# Altium PCB PCB2.PcbDoc
Units mil, origin at the board's own origin, x right, y up, seen from the top; angles counter-clockwise.
Board outline 6000 x 4000 mil, 2 copper layers (Top Layer, Bottom Layer); 8 components, 10 nets, 53 pads, 6 vias.
Unrouted connection lines stored in the file: 3.
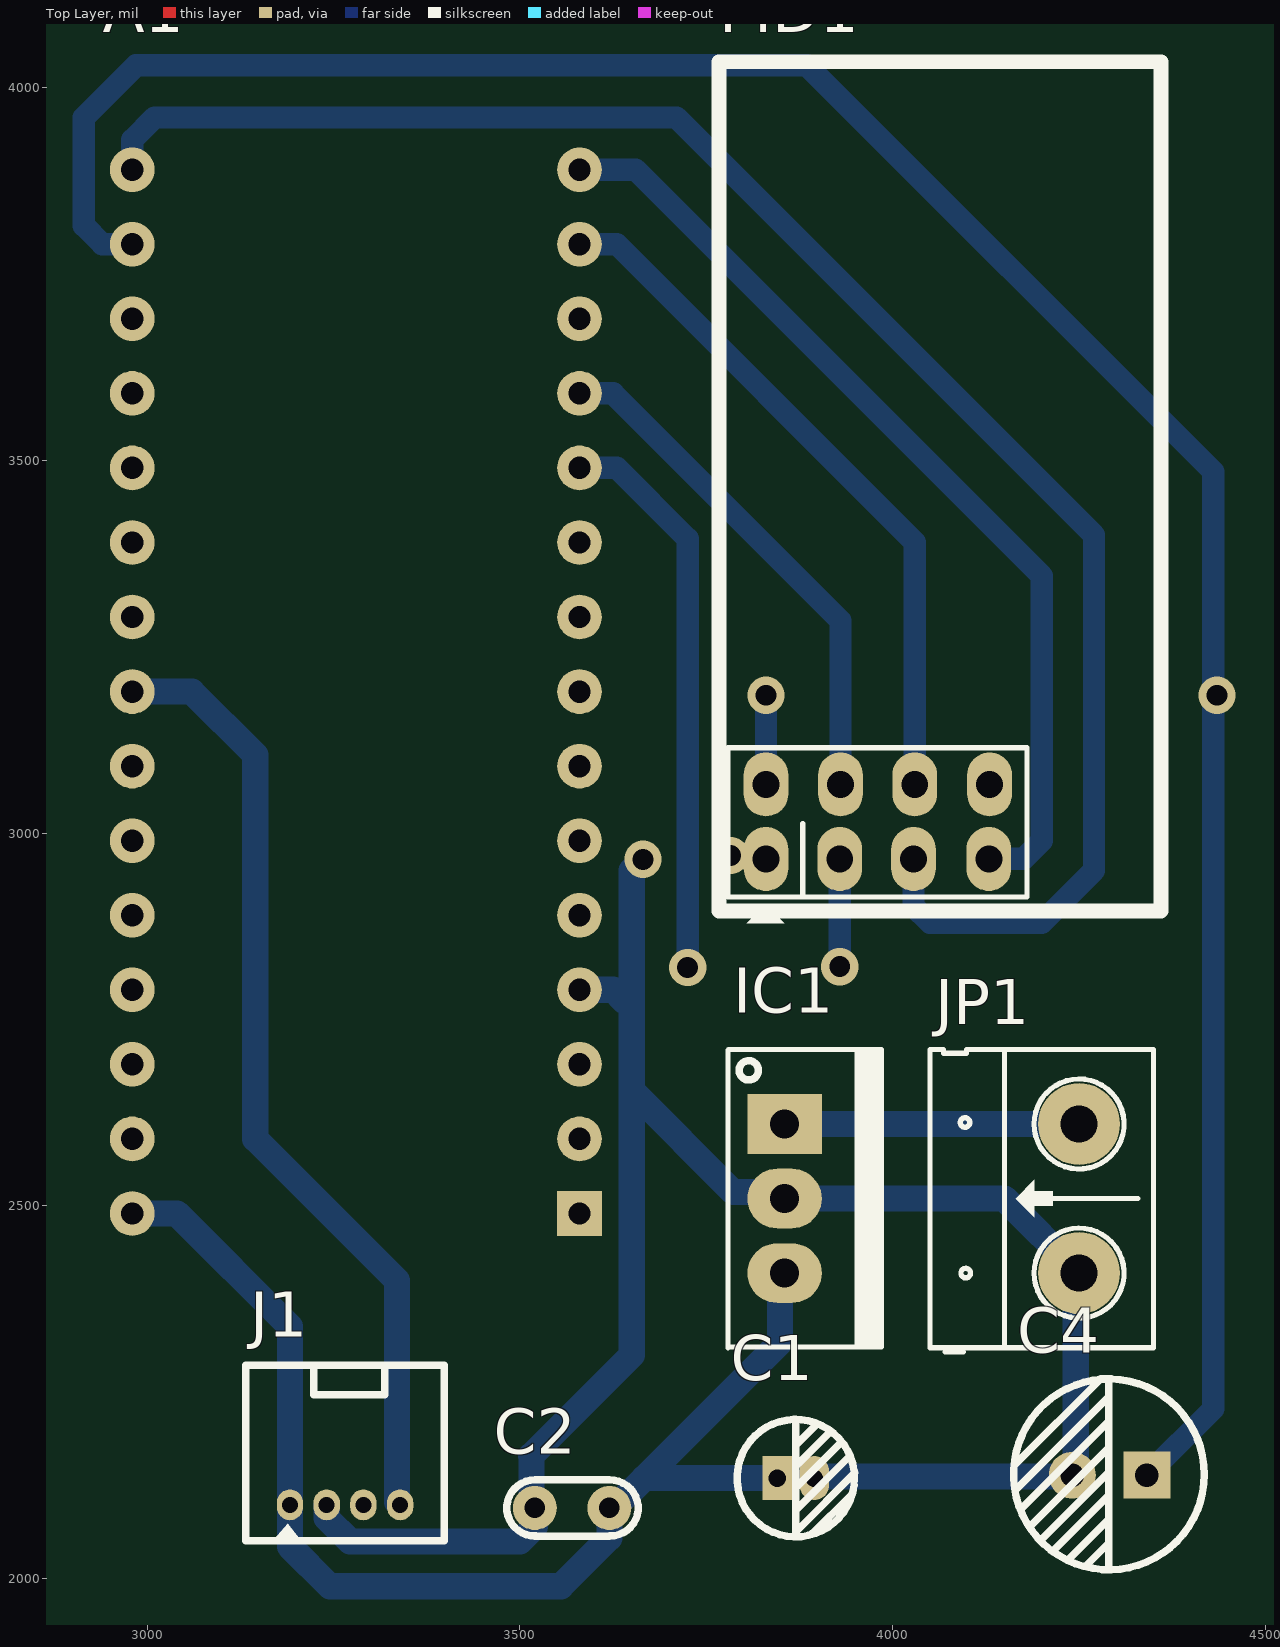
[diagram p0: Top Layer view]
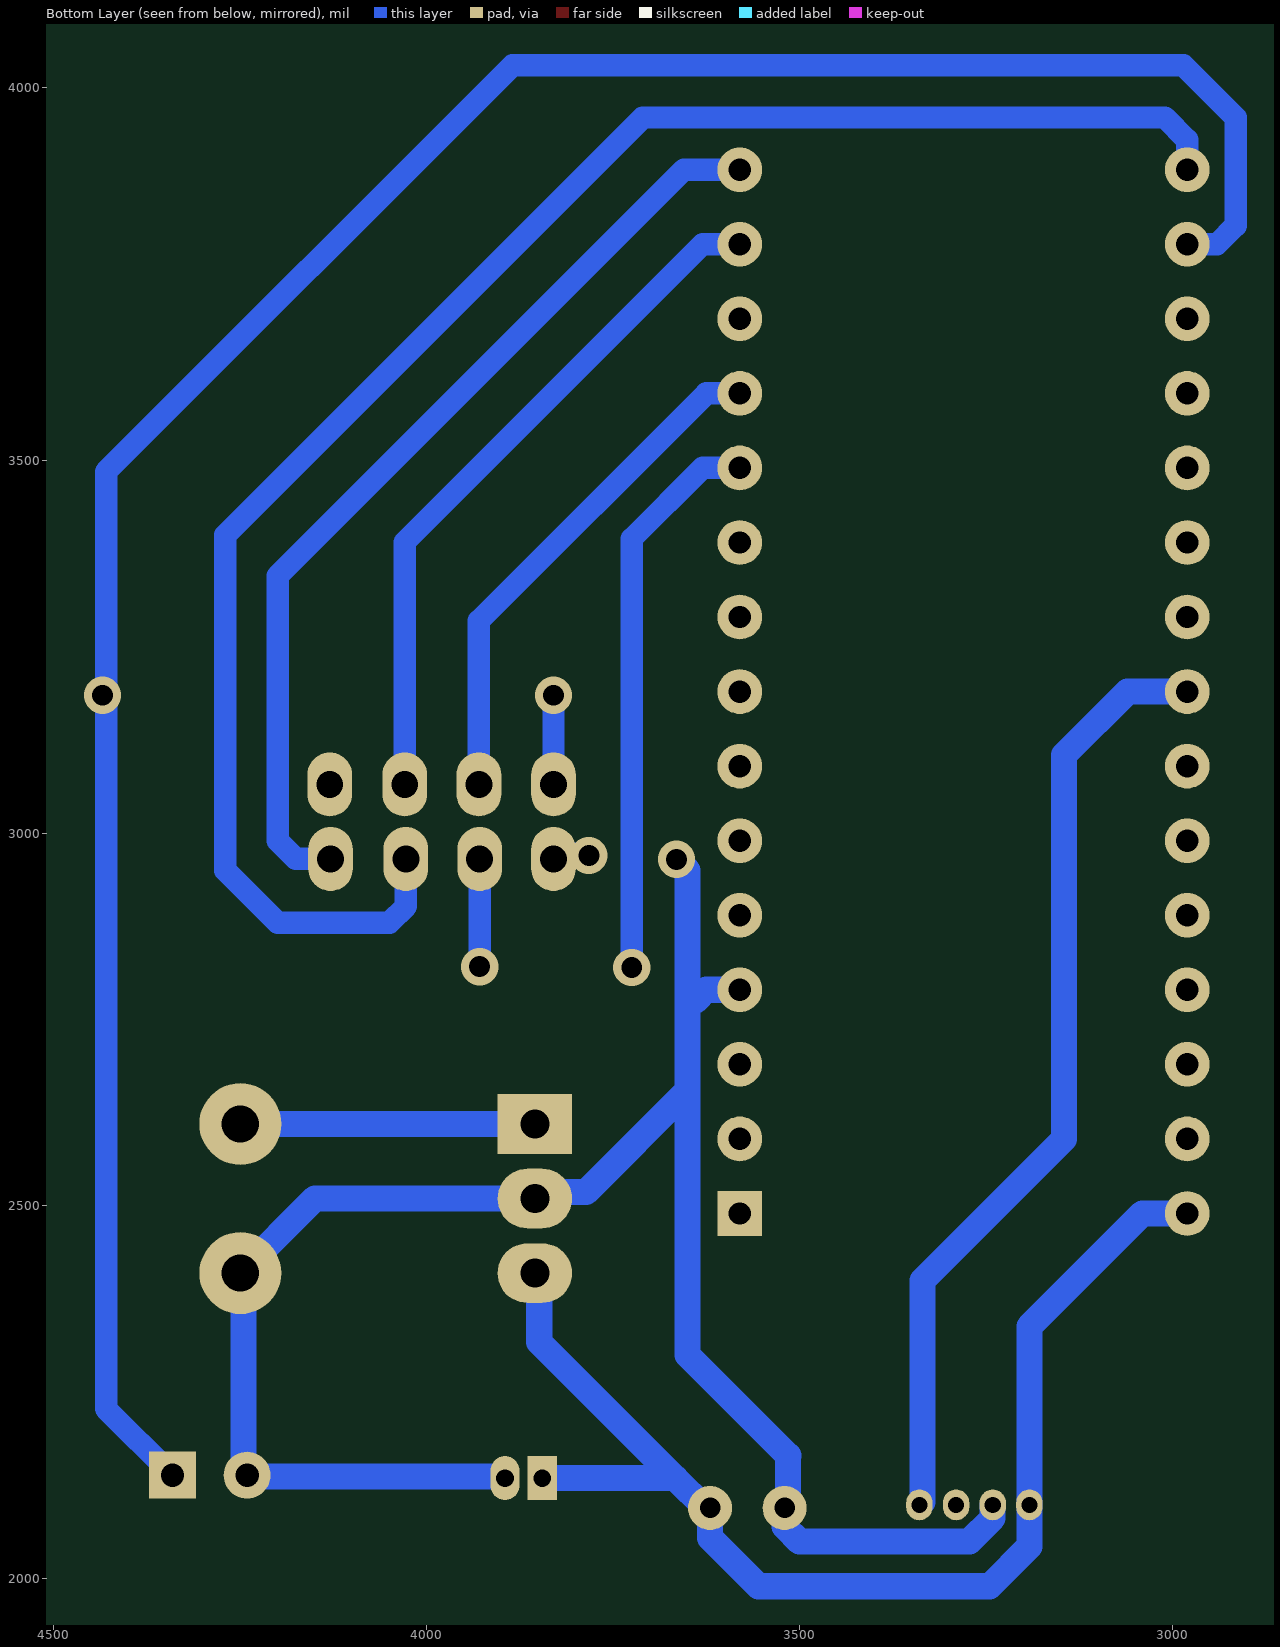
[diagram p1: Bottom Layer view, seen from below]
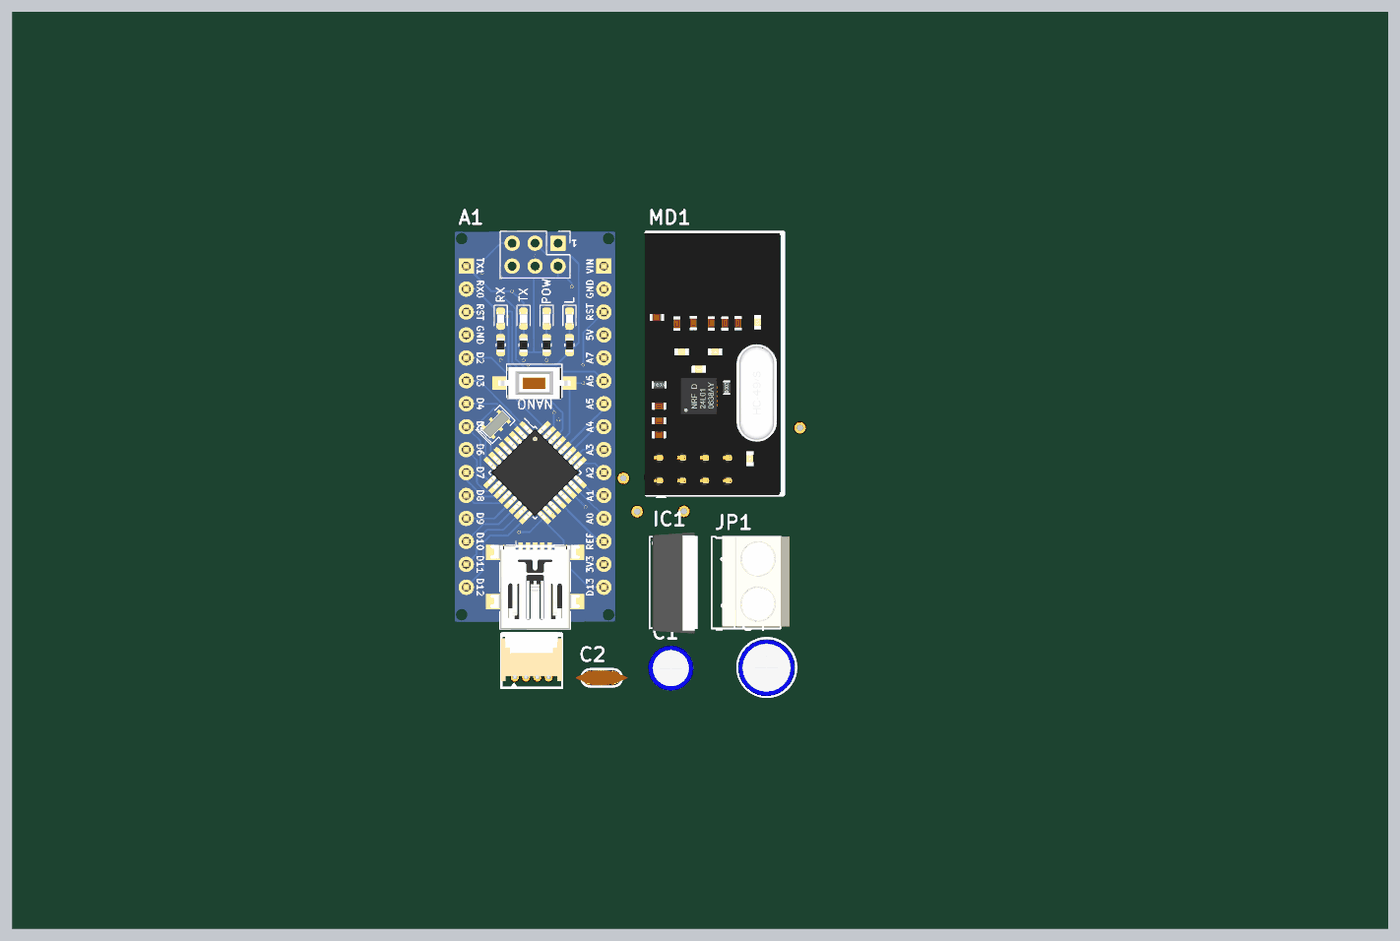
[diagram p2: 3D render of the assembled board from above, using the file's embedded part models]

## Layer stack, top to bottom
Top Solder: solder mask 0.4, Solder Resist, Dk 3.5
Top Layer: signal copper 1.4
Dielectric 1: dielectric 12.6, FR-4, Dk 4.8
Bottom Layer: signal copper 1.4
Bottom Solder: solder mask 0.4, Solder Resist, Dk 3.5

## Board outline
1000,1000 7000,1000 7000,5000 1000,5000

## Design rules (kind name [scope] priority, off if disabled: settings)
Clearance [All] p1: gap=10 ignorepadtopadclearanceinfootprint=FALSE except(0: Arc-Hole Track-Hole SMDPad-Hole THPad-Hole Via-Hole Fill-Hole Poly-Hole Region-Hole Text-Hole)
PolygonConnect [All] p1: connectstyle=Relief reliefconductorwidth=10 reliefentries=4 polygonreliefangle="90 Angle" airgapwidth=10
RoutingVias [All] p1: holewidth=28 width=50 viastyle="Through Hole" minholewidth=28 minwidth=50 maxholewidth=28 maxwidth=50
SolderMaskExpansion [All] p1: expansion=4
Width vcc [InNet('+5')] p1: maxlimit=45 minlimit=35 preferedwidth=40
Width gnd [InNet('GND')] p2: maxlimit=45 minlimit=35 preferedwidth=40
Width net [All] p3: maxlimit=40 minlimit=30 preferedwidth=35
Width [All] p4: maxlimit=10 minlimit=10 preferedwidth=10
30 further rules are at their usual default settings.

## Components (designator, comment, footprint, x,y, rotation, side; value= is the part's Value field where it differs from the comment)
A1 "Nano" "Arduino nano" 3640,2330 r90 top
C1 "2.2uF" "tu hoa 4mm" 3870,2135 r0 top
C2 "103" "tu gom" 3570,2095 r180 top
C4 "100uF" "tu hoa 6.5mm" 4290,2140 r180 top
IC1 "LM7805" QTO-220 3855,2610 r270 top
J1 "" CON4_50_653004117322_TH_RA 3339.21,2099.12 r0 top
JP1 "Header 2_1" HED2 4250,2410 r90 top value="Header 2"
MD1 "NRF24L01 Module" NRF24L01 3830,2965.56 r0 top

## Footprints (in the part's own frame and the unit in brackets; to place one, negate y for a bottom-side part, rotate by r counter-clockwise, add the part's x,y. Pads: shape width x height; smd on the part's side, far side on the other; paste and mask are expansions set on the pad)
"Arduino nano" [mil] "arduino nano"
  rect 60x60 hole 30: 0(160,60)
  round 60 hole 30: 1(260,60) 2(360,60) 3(460,60) 4(560,60) 5(660,60) 6(760,60) 7(860,60) 8(960,60) 9(1060,60) 10(1160,60) 11(1260,60) 12(1360,60) 13(1460,60) 14(1560,60) 15(1560,660) 16(1460,660) 17(1360,660) 18(1260,660) 19(1160,660) 20(1060,660) 21(960,660) 22(860,660) 23(760,660) 24(660,660) 25(560,660) 26(460,660) 27(360,660) 28(260,660) 29(160,660)
  body extent -25,10 1715,710, height 507
CON4_50_653004117322_TH_RA [mm] "wurth connector"
  oval 0.9x1.05 hole 0.55: 1(-3.75,0) 2(-2.5,0) 3(-1.25,0) 4(0,0)
  silkscreen extent -5.25,-1.34 1.5,4.75, body extent -5.27,-0.45 1.48,4.98, height 3.65
HED2 [mil] "Header 2, 2 pin, hight 300mil, Pin to Pin 200, Colour Green"
  round 110 hole 50: 1(0,0) 2(200,0)
  silkscreen extent -106,-100 300,200, body extent -92,-140 302,155, height 394
NRF24L01 [mil]
  oval 60x86 hole 36: 1(0,0) 2(0,100) 3(99,0) 4(100,100) 5(198,0) 6(199.5,100) 7(299,0) 8(300,100)
  silkscreen extent -63,-86 530,1069, body extent -73,-74 518,1068, height 588
QTO-220 [mil] "TO-220 - 1-2-3"
  rect 80x100 hole 39: 1(0,0)
  oval 80x100 hole 39: 2(100,0) 3(200,0)
  silkscreen extent -100,-76 300,130, body extent -119,-64 322,121, height 755
"tu gom" [mm] "Tu gom mini"
  round 1.5 hole 0.7: 1(-1.27,0) 2(1.27,0)
  silkscreen extent -2.25,-0.97 2.22,0.97, body extent -2.92,-0.85 2.92,0.85, height 6.12
"tu hoa 4mm" [mm]
  rect 1x1.5 hole 0.6: 1(-0.635,0)
  oval 1x1.5 hole 0.6: 2(0.635,0)
  silkscreen extent -2,-2 2.01,2.01, body extent -2.47,-2.47 2.58,2.58, height 14.81
"tu hoa 6.5mm" [mm]
  rect 1.6x1.6 hole 0.8: 1(-1.295,0.025)
  round 1.6 hole 0.8: 2(1.245,0.025)
  silkscreen extent -3.25,-3.25 3.25,3.25, body extent -3.15,-3.15 3.2,3.2, height 14.55

## Part data
A1: library part "Arduino Nano"
C1: library part "Tu Hoa 2.2uF 50V 4x7", "C?m", Chung_Loai=C?m, Don_Vi=Con, Ma_Hang=MH001356, So_Chan=2, Ten_Linh_Kien="T? Hóa 2.2uF 50V 4x7MM"
C2: library part "Tu gom 103 50V", "C?m", Chung_Loai=C?m, Don_Vi=Con, Ma_Hang=MH000936, So_Chan=2, Ten_Linh_Kien="T? g?m 103 10nF 50V"
C4: library part "Tu Hoa 100uF 35V 6x8", "C?m", Chung_Loai=C?m, Don_Vi=Con, Ma_Hang=MH006862, So_Chan=2, Ten_Linh_Kien="T? Hóa 100uF 35V"
IC1: library part LM78xx, "On ap +, from + 5 to + 24VDC", =LM7808
J1: library part CON-PLG_4X1-50-RA-TH, "4 Pins, 1 Row 1.25mm Pitch, right angle Connector, male", Alternate Part Number-1=NA, Case/Package=TH-CON, Crimp Part Number=653153128130, Manufacturer=JST, Manufacturer Part Number=653004117322, Mating Part Number=653004113322, Supplier-1=WURTH, Supplier Part Number-1=653004117322
JP1: "Header, 2-Pin", Manufacturer="Generic Components", Class=Connector

## Via types
v1: diameter 50, hole 28, Top Layer to Bottom Layer, 6 vias

## Nets (pads, with @x,y where several pads share a name; then routed paths per layer and width w, separated by ;. In a path a pad name is that pad's centre, name@x,y a point inside that pad or via, vN(x,y) a via of type N, cw(c..) or ccw(c..) an arc to the next point about the centre after c; other vN are vias at no path point)
7: A1.10 MD1.3 | length 905.3
  Bottom Layer w30: A1.10 3630,3490 3725,3395 v1(3725,2820) ; MD1.3 v1(3929,2821) v1@3930,2820
8: A1.11 MD1.4 | length 695.8
  Bottom Layer w30: A1.11 3625,3590 3930,3285 MD1.4
11: A1.13 MD1.6 | length 939.9
  Bottom Layer w30: A1.13 3630,3790 4029.5,3390.5 MD1.6
12: A1.14 MD1.7 | length 1281.9
  Bottom Layer w30: A1.14 3655,3890 4200,3345 4200,2990 4175.56,2965.56 MD1.7
13: A1.15 MD1.5 | length 2368.1
  Bottom Layer w30: A1.15 2980,3930 3010,3960 3710,3960 4270,3400 4270,2950 4200,2880 4050,2880 4028,2902 MD1.5
+5: A1.29 C1.1 C2.1 IC1.3 J1.1 | length 1681.5
  Bottom Layer w35: A1.29 3040,2490 3191.49,2338.51 3191.49,2099.2 J1.1 3191.66,2099.04 3191.66,2043.34 3245,1990 3555,1990 3620,2055 C2.1 3626.51,2095 3666.51,2135 ; C1.1 3666.51,2135 ; IC1.3 3849.01,2404.01 3849.01,2317.5 3666.51,2135
a0: A1.22 J1.4 | length 1286.5
  Bottom Layer w35: A1.22 3060,3190 3145,3105 3145,2590 3335.22,2399.78 3335.22,2103.12 J1.4
GND: A1.3 C1.2 C2.2 C4.2 IC1.2 J1.2 JP1.1 MD1.1 | length 2716.8
  Bottom Layer w35: J1.2 3240.87,2099.04 3240.87,2081.35 3272.22,2050 3500,2050 3520,2070 C2.2 3515.4,2099.6 3515.4,2164.6 3515,2165 3650,2300 3650,2655 ; A1.3 3625,2790 3640,2775 ; v1(3665,2965) 3650,2950 3650,2655 ; v1(3782.5,2970) 3825.56,2970 MD1.1 ; C1.2 3897,2137 4239,2137 C4.2 4245.5,2143.5 4245.5,2405.5 JP1.1 4150,2510 IC1.2 3846.39,2518.61 3786.39,2518.61 3650,2655
NetA1_16: A1.16 C4.1 MD1.2 | length 3492.4
  Bottom Layer w30: A1.16 2940,3790 2915,3815 2915,3960 2985,4030 3885,4030 4430,3485 4430,2228 C4.1 ; MD1.2 v1(3830,3185)
  other v1: 4435,3185
NetIC1_1: IC1.1 JP1.2 | length 395
  Bottom Layer w35: IC1.1 JP1.2
pads on no net: A1.0 A1.1 A1.2 A1.4 A1.5 A1.6 A1.7 A1.8 A1.9 A1.12 A1.17 A1.18 A1.19 A1.20 A1.21 A1.23 A1.24 A1.25 A1.26 A1.27 A1.28 J1.3 MD1.8